# KiCad board traffic_paradise.kicad_pcb (continued)
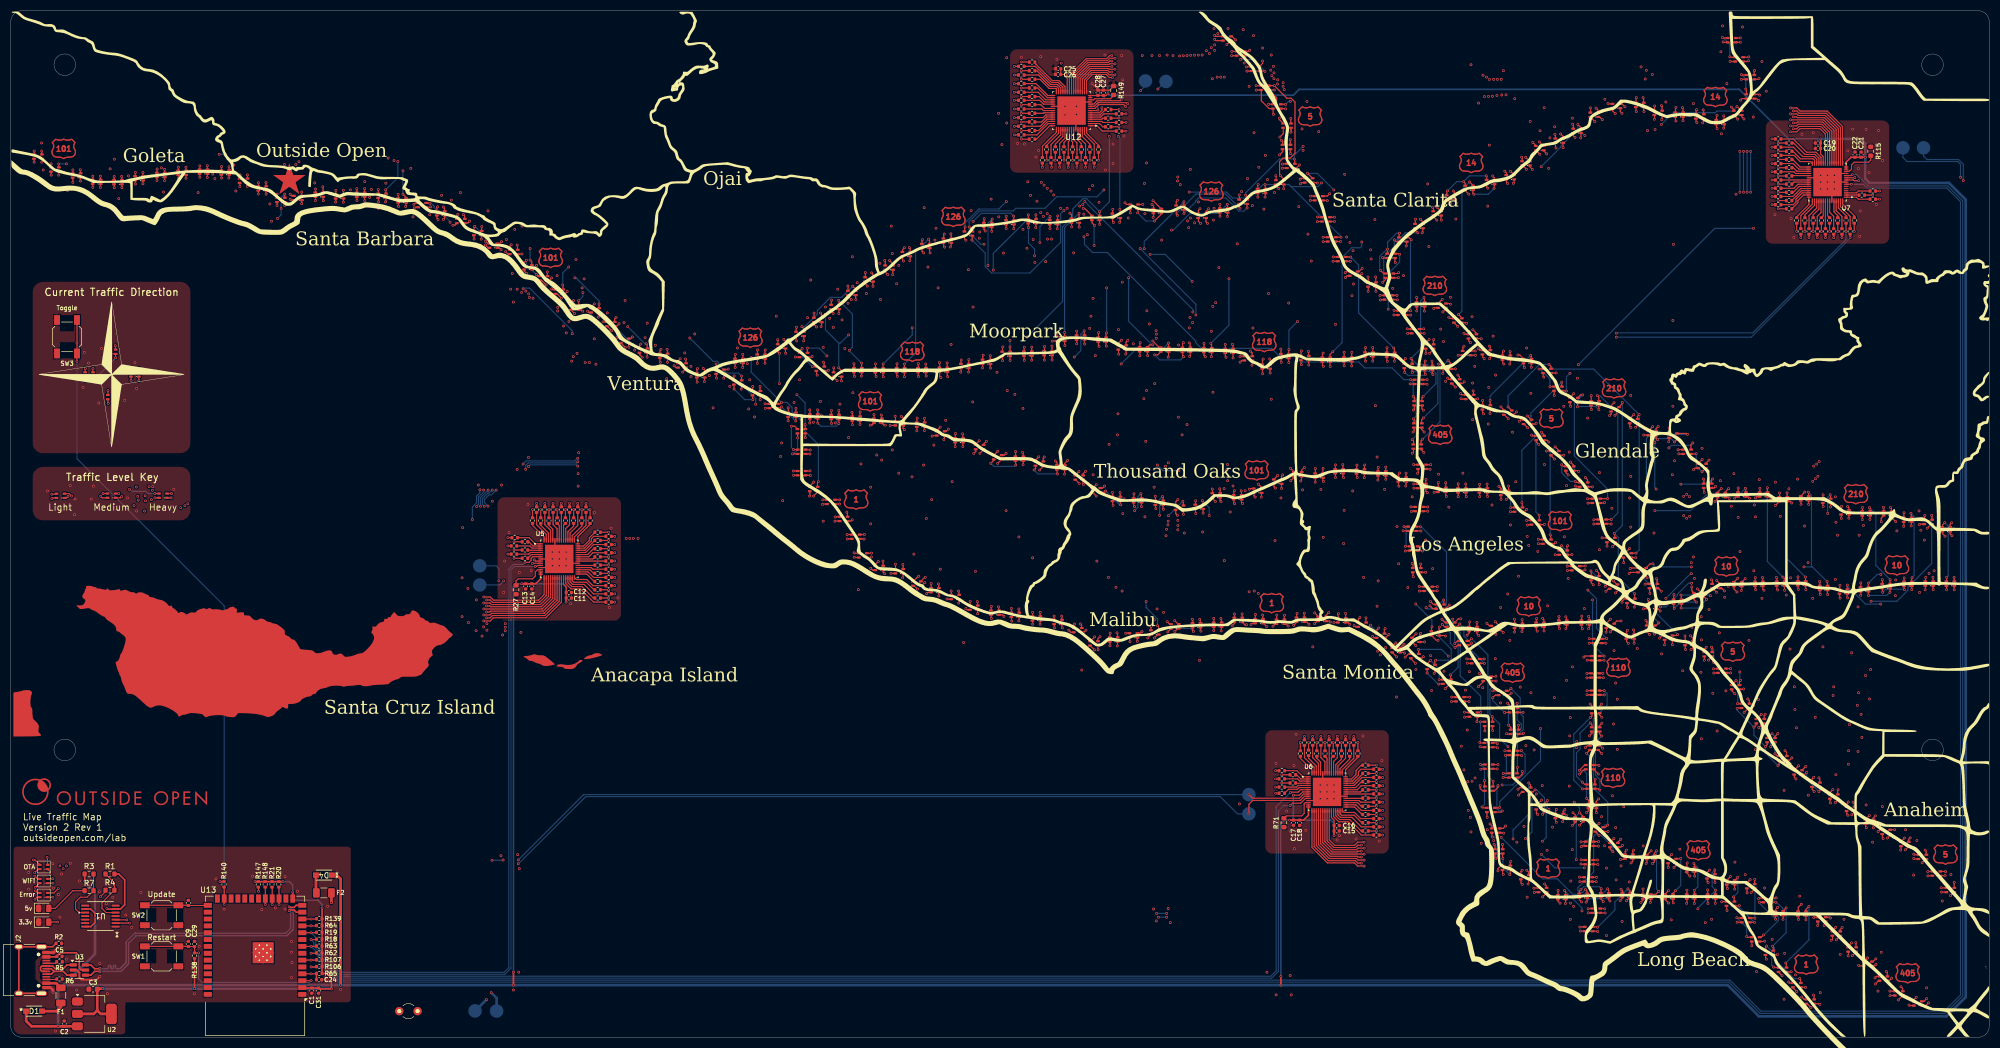
[diagram p0: board, top side]
## Routing (per net, layer and track width the routed paths; a pad name or vN(x,y) marks a point on that pad's centre or on a via; arc(x,y) is an arc through that point) (continued)
  In1.Cu w0.203: v1(267.6,120.5) 268.15,120.5 269.12,119.53 269.12,118.35 ; 269.12,118.35 v1(268.65,118.35) ; 269.12,118.35 271.92,115.55 v1(272.82,115.55) ; v1(277.4,114.65) 279.1,112.95 v1(281,112.95) 281,111.6 282.72,109.88 v1(283.05,109.88) 283.05,109.31 285.21,107.15 v1(286,107.15) 286,106.66 288.43,104.23 v1(288.5,104.23) 288.5,103.5 v1(289.82,102.18)
  In2.Cu w0.203: v1(272.82,115.55) 273.73,114.65 v1(277.4,114.65) ; v1(281,112.95) 286.09,118.04 294.54,118.04 300.14,123.64 300.14,155.46 307.62,162.95 310.9,162.95 310.9,162.95 323.51,162.95 326.3,165.74 v1(327.41,165.74)
Net-(LED235-RK): length 127.6
  Top w0.203: v1(282.57,113.8) 282.42,113.65 281.68,113.65 ; 270.96,118.27 271.67,118.27 v1(271.73,118.33) ; 292.09,102.02 292.96,102.02 v1(292.98,102) ; v1(290.43,104.88) 290.29,105.01 289.5,105.01 ; 278.02,115.38 278.4,115.38 v1(278.93,115.9) ; v1(284.93,110.33) 284.6,110.65 284.01,110.65 ; R99.2 v1(326.26,164.98) ; 286.75,107.86 287.68,107.86 v1(287.7,107.88) ; v1(274.02,115.6) 274.06,115.63 274.06,116.34 ; v1(269.25,121.48) 268.94,121.17 268.37,121.17
  In1.Cu w0.203: v1(274.02,115.6) 271.73,117.9 v1(271.73,118.33) 271.62,118.33 269.25,120.7 v1(269.25,121.48) ; v1(278.93,115.9) 280.29,114.54 281.84,114.54 v1(282.57,113.8) 282.57,112.39 284.64,110.33 v1(284.93,110.33) 284.93,109.78 286.83,107.88 v1(287.7,107.88) 287.7,107.03 289.86,104.88 v1(290.43,104.88) 290.43,104.22 292.65,102 v1(292.98,102)
  In2.Cu w0.203: v1(278.93,115.9) 274.32,115.9 v1(274.02,115.6) ; v1(326.26,164.98) 323.87,162.58 307.77,162.58 300.5,155.31 300.5,123.49 294.69,117.68 286.24,117.68 282.57,114.01 v1(282.57,113.8)
Net-(LED244-BK): length 141.7
  Top w0.203: v1(288.32,87.3) 288.35,87.32 289.22,87.32 ; v1(280.8,95.78) 280.83,95.81 281.75,95.81 ; v1(264.45,102.8) 264.43,102.78 264.43,101.85 ; v1(282.98,92.3) 283.02,92.25 283.88,92.25 ; 272.1,101.75 272.1,102.47 v1(272.1,102.48) ; v1(275.68,102.1) 276.06,101.72 276.06,101.29 ; 268.13,101.75 268.13,102.57 v1(268.12,102.58) ; v1(277.85,98.12) 277.92,98.19 278.6,98.19 ; R104.2 v1(327.41,164.22) ; 286.88,90.22 286.88,90.7 v1(287.27,91.1)
  In1.Cu w0.203: v1(268.12,102.58) 268.7,102 271.63,102 v1(272.1,102.48) 272.58,101.99 275.57,101.99 v1(275.68,102.1) ; v1(277.85,98.12) 278.45,98.12 v1(280.8,95.78) 280.89,95.78 282.98,93.69 v1(282.98,92.3)
  In2.Cu w0.203: v1(287.27,91.1) 287.27,91.38 286.35,92.3 v1(282.98,92.3) ; v1(275.68,102.1) 275.68,104.23 282.65,111.2 286.34,111.2 292.45,117.31 294.84,117.31 300.87,123.34 300.87,155.16 307.92,162.22 324.3,162.22 326.29,164.22 v1(327.41,164.22) ; v1(264.45,102.8) 265.05,102.2 267.75,102.2 v1(268.12,102.58)
  Bottom w0.203: v1(275.68,102.1) 277.85,99.93 v1(277.85,98.12) ; v1(287.27,91.1) 288.32,90.05 v1(288.32,87.3)
Net-(LED244-GK): length 138.7
  Top w0.203: R103.2 v1(326.26,163.45) ; v1(288.38,86.5) 288.4,86.52 289.22,86.52 ; v1(286.1,89.43) 286.11,89.42 286.88,89.42 ; v1(277.8,97.4) 277.81,97.39 278.6,97.39 ; v1(283,91.48) 283.02,91.45 283.88,91.45 ; v1(280.95,94.93) 281.03,95.01 281.75,95.01 ; v1(268.12,100.2) 268.13,100.21 268.13,100.95 ; v1(276.07,99.7) 276.06,99.72 276.06,100.49 ; v1(272.12,100.2) 272.1,100.23 272.1,100.95 ; 264.43,101.05 263.73,101.05 v1(263.68,101)
  In1.Cu w0.203: v1(288.38,86.5) 286.1,88.78 v1(286.1,89.43) 285.05,89.43 v1(283,91.48) 280.95,93.53 v1(280.95,94.93) 280.27,94.93 v1(277.8,97.4) 276.07,99.12 v1(276.07,99.7)
  In2.Cu w0.203: 276.2,100.47 276.2,104.24 282.8,110.84 286.49,110.84 292.6,116.95 294.99,116.95 301.23,123.19 301.23,155.01 308.07,161.86 324.67,161.86 v1(326.26,163.45) ; 276.2,100.47 276.2,99.83 v1(276.07,99.7) ; 276.2,100.47 275.83,100.83 272.76,100.83 v1(272.12,100.2) 271.56,100.76 268.69,100.76 v1(268.12,100.2) 267.32,101 v1(263.68,101)
Net-(LED244-RK): length 138.1
  Top w0.203: v1(273.57,100.25) 273.5,100.33 273.5,100.95 ; 290.62,86.52 291.52,86.52 v1(291.62,86.62) ; 283.15,95.01 284.06,95.01 v1(284.1,95.05) ; 269.53,100.95 269.53,100.29 v1(269.62,100.2) ; 288.28,89.42 289.14,89.42 v1(289.2,89.48) ; v1(277.02,99.68) 277.46,100.11 277.46,100.49 ; R102.2 v1(327.41,162.69) ; 280,97.39 280.37,97.39 v1(280.8,97.83) ; 265.82,101.05 265.82,100.35 v1(265.93,100.25) ; 285.28,91.45 285.93,91.45 v1(286.18,91.7)
  In1.Cu w0.203: v1(265.93,100.25) 266.56,99.61 269.04,99.61 v1(269.62,100.2) 270.19,100.77 273.06,100.77 v1(273.57,100.25) 276.45,100.25 v1(277.02,99.68) 278.38,99.68 280.23,97.83 v1(280.8,97.83) 281.32,97.83 v1(284.1,95.05) 286.18,92.98 v1(286.18,91.7) 286.18,91.47 288.17,89.48 v1(289.2,89.48) 289.2,89.05 v1(291.62,86.62)
  In2.Cu w0.203: v1(280.8,97.83) 280.98,97.83 295.66,112.51 295.66,117.11 301.59,123.04 301.59,154.86 308.22,161.49 325.1,161.49 326.3,162.69 v1(327.41,162.69)
Net-(LED253-BK): length 111.4
  Top w0.203: v1(292.77,118.91) 292.77,117.9 ; v1(289.52,119.28) 288.86,118.61 288.86,118.51 ; 313.65,102.61 313.65,103.37 v1(313.55,103.48) ; 299.93,114.6 299.93,114.68 v1(300.65,115.4) ; 307.2,111.91 307.2,111.91 v1(307.2,112.95) ; R111.2 v1(326.26,161.93) ; v1(313.33,107.08) 312.63,106.38 312.63,106.27 ; v1(304.15,113.15) 303.39,112.39 303.39,112.37 ; 296.48,116.79 296.48,117.08 v1(297,117.6) ; v1(308.85,108.88) 308.89,108.91 309.84,108.91
  In1.Cu w0.203: 300.99,115.06 299.54,115.06 v1(297,117.6) 294.09,117.6 v1(292.77,118.91) 292.4,118.54 290.26,118.54 v1(289.52,119.28) ; 300.99,115.06 302.9,113.15 v1(304.15,113.15) 304.62,112.68 307.2,112.68 ; 300.99,115.06 v1(300.65,115.4) ; v1(313.55,103.48) 312.78,104.25 312.78,106.53 ; 312.78,106.53 v1(313.33,107.08) ; 312.78,106.53 310.43,108.88 v1(308.85,108.88) 307.66,110.07 307.66,112.22 307.2,112.68 ; 307.2,112.68 v1(307.2,112.95)
  In2.Cu w0.203: v1(297,117.6) 297,117.94 301.96,122.89 301.96,154.71 308.38,161.13 325.47,161.13 v1(326.26,161.93)
Net-(LED253-GK): length 112.5
  Top w0.203: 312.63,105.47 312,105.47 v1(311.73,105.2) ; 309.84,108.11 309.01,108.11 v1(309,108.12) ; 288.86,117.71 288.86,117.04 v1(288.95,116.95) ; 313.65,101.81 313.65,101.02 v1(313.7,100.98) ; v1(302.5,111.61) 303.35,111.61 303.39,111.57 ; R110.2 v1(327.41,161.17) ; 296.48,115.99 296.48,115.53 v1(296.18,115.23) ; 292.77,117.1 292.77,116.4 v1(292.82,116.35) ; v1(300.12,113) 299.93,113.19 299.93,113.8 ; v1(307.12,110.38) 307.2,110.45 307.2,111.11
  In1.Cu w0.203: v1(313.7,100.98) 311.73,102.95 v1(311.73,105.2) 309,107.93 v1(309,108.12) 308.82,108.12 307.67,109.27 307.67,109.44 307.12,109.98 v1(307.12,110.38) 305.89,111.61 v1(302.5,111.61) ; v1(300.12,113) 298.4,113 v1(296.18,115.23) 293.95,115.23 v1(292.82,116.35) 291.79,117.38 289.38,117.38 v1(288.95,116.95)
  In2.Cu w0.203: v1(300.12,113) 301.51,111.61 v1(302.5,111.61) ; v1(296.18,115.23) 297.51,116.56 297.51,117.93 302.32,122.74 302.32,154.56 308.52,160.77 325.9,160.77 326.3,161.17 v1(327.41,161.17)
Net-(LED253-RK): length 110.9
  Top w0.203: 311.24,108.11 312.19,108.11 v1(312.23,108.15) ; v1(308.18,110.33) 308.6,110.75 308.6,111.11 ; 294.17,117.1 294.17,116.33 v1(294.2,116.3) ; v1(315.85,102.1) 315.56,101.81 315.05,101.81 ; v1(305.07,110.75) 304.79,111.04 304.79,111.57 ; 297.88,115.99 297.88,115.98 v1(297.18,115.28) ; 290.26,117.71 290.26,116.89 v1(290.23,116.85) ; v1(313.3,104.8) 313.97,105.47 314.03,105.47 ; 301.33,113.8 301.33,113.38 v1(301,113.05) ; R105.2 v1(326.26,160.41)
  In1.Cu w0.203: v1(315.85,102.1) 313.3,104.65 v1(313.3,104.8) ; v1(312.23,108.15) 310.05,110.33 v1(308.18,110.33) ; v1(305.07,110.75) 302.62,110.75 301,112.37 v1(301,113.05) 298.77,115.28 v1(297.18,115.28) 296.15,116.3 v1(294.2,116.3)
  In2.Cu w0.203: v1(326.26,160.41) 308.68,160.41 302.68,154.4 302.68,114.73 v1(301,113.05)
  Bottom w0.203: v1(308.18,110.33) 307.56,110.94 305.27,110.94 v1(305.07,110.75) ; v1(290.23,116.85) 290.28,116.9 293.6,116.9 v1(294.2,116.3) ; v1(313.3,104.8) 312.23,105.88 v1(312.23,108.15)
Net-(LED262-BK): length 134.1
  Top w0.203: 311.82,82.34 311.4,82.77 v1(311.4,83.45) ; 308.06,81.12 308.06,82.01 v1(308.1,82.05) ; 298.77,89.71 299.01,89.71 v1(299.88,90.58) ; v1(302.75,83.98) 302.8,84.02 303.59,84.02 ; v1(315.05,84.78) 315.23,84.6 315.23,84.02 ; R114.2 v1(327.41,159.64) ; 293.03,99.82 292.12,99.82 v1(292.1,99.8) ; v1(293.25,95.9) 293.31,95.96 294.09,95.96 ; 301.51,86.97 300.12,86.97 v1(300,86.85) ; v1(294.77,92.55) 294.78,92.56 295.72,92.56
  In1.Cu w0.203: v1(315.05,84.78) 312.73,84.78 v1(311.4,83.45) 311.33,83.45 311,83.78 309.83,83.78 v1(308.1,82.05) ; 300.05,86.9 300.05,86.7 300.31,86.44 300.31,85.95 302.29,83.98 v1(302.75,83.98) ; 300.05,86.9 v1(300,86.85) ; 300.05,86.9 300.1,86.95 300.1,90.35 v1(299.88,90.58) ; v1(292.1,99.8) 292.2,99.8 293.25,98.75 v1(293.25,95.9) 294.77,94.38 v1(294.77,92.55)
  In2.Cu w0.203: v1(299.88,90.58) 297.9,92.55 v1(294.77,92.55) ; v1(302.75,83.98) 306.18,83.98 v1(308.1,82.05) ; v1(327.41,159.64) 326.15,159.64 325.75,160.04 308.83,160.04 303.04,154.25 303.04,110.71 293.52,101.19 293.49,101.19 v1(292.1,99.8)
Net-(LED262-GK): length 131.9
  Top w0.203: v1(312.25,80.65) 311.82,81.08 311.82,81.54 ; 295.72,91.76 295.72,91.04 v1(295.7,91.03) ; v1(308.15,79.5) 308.06,79.59 308.06,80.33 ; v1(299.8,85.95) 300.02,86.17 301.51,86.17 ; 298.77,88.91 298.77,88 v1(298.8,87.96) ; 293.03,99.02 292.19,99.02 v1(292.18,99) ; v1(303.65,82.25) 303.59,82.31 303.59,83.22 ; v1(293.25,95.12) 293.28,95.16 294.09,95.16 ; v1(316,82.48) 315.25,83.22 315.23,83.22 ; R113.2 v1(326.26,158.88)
  In1.Cu w0.203: v1(292.18,99) 292.18,96.2 v1(293.25,95.12) 293.25,93.29 295.51,91.03 v1(295.7,91.03) ; v1(316,82.48) 313.98,82.48 312.25,80.75 v1(312.25,80.65) ; v1(308.15,79.5) 307.68,79.5 304.93,82.25 v1(303.65,82.25) 303.5,82.25 v1(299.8,85.95) 299.3,85.95 298.9,86.35 298.9,87.86 v1(298.8,87.96)
  In2.Cu w0.203: v1(326.26,158.88) 326.26,158.89 325.47,159.68 308.98,159.68 303.41,154.1 303.41,111.04 303.41,111.04 303.41,110.56 292.7,99.85 292.7,99.53 v1(292.18,99) ; v1(298.8,87.96) 298.76,87.96 v1(295.7,91.03)
  Bottom w0.203: v1(308.15,79.5) 309.3,80.65 v1(312.25,80.65)
Net-(LED262-RK): length 132.7
  Top w0.203: v1(305.75,82.68) 305.2,83.22 304.99,83.22 ; v1(296.48,95.12) 296.44,95.16 295.49,95.16 ; v1(317.45,82.73) 316.95,83.22 316.62,83.22 ; 302.91,86.17 302.91,85.37 v1(303.12,85.15) ; 300.17,88.91 300.99,88.91 v1(301.02,88.88) ; 309.46,80.33 309.46,79.59 v1(309.43,79.55) ; v1(314.15,81.18) 313.78,81.54 313.22,81.54 ; v1(295.25,99.1) 295.17,99.02 294.43,99.02 ; v1(296.73,90.93) 297.12,91.32 297.12,91.76 ; R112.2 v1(327.41,158.12)
  In1.Cu w0.203: v1(317.45,82.73) 315.9,81.18 v1(314.15,81.18) ; v1(309.43,79.55) 306.3,82.68 v1(305.75,82.68) 305.6,82.68 v1(303.12,85.15) 301.02,87.25 v1(301.02,88.88) ; v1(295.25,99.1) 295.25,96.35 v1(296.48,95.12) 296.48,91.18 v1(296.73,90.93)
  In2.Cu w0.203: v1(295.25,99.1) 294.67,99.68 294.67,101.31 303.77,110.41 303.77,110.42 304.66,111.31 304.66,113.36 303.77,114.25 303.77,153.95 309.13,159.32 325.11,159.32 326.3,158.12 v1(327.41,158.12) ; v1(301.02,88.88) 298.77,88.88 v1(296.73,90.93)
  Bottom w0.203: v1(309.43,79.55) 312.52,79.55 v1(314.15,81.18)
Net-(LED271-BK): length 149.4
  Top w0.203: v1(303.35,81.15) 303.34,81.14 303.34,80.26 ; 313.75,71.37 313.75,71.95 v1(314.08,72.28) ; 299.43,81.28 298.94,81.28 298.49,80.82 v1(298.49,80.62) ; v1(302.9,77.25) 303.08,77.07 303.08,76.3 ; 306.4,74.45 305.93,74.45 v1(305.45,73.98) ; R118.2 v1(326.26,157.36) ; v1(315.43,68.28) 315.47,68.32 316.29,68.32 ; 292.77,85.49 292.77,86.38 v1(292.73,86.43) ; v1(295.38,83.58) 295.72,83.92 296.23,83.92 ; v1(310.15,74.38) 310.2,74.33 310.2,73.45
  In1.Cu w0.203: v1(302.9,77.25) 303.35,77.7 v1(303.35,81.15) ; v1(298.49,80.62) 298.27,80.62 295.38,83.52 v1(295.38,83.58)
  In2.Cu w0.203: v1(303.35,81.15) 302.82,80.62 v1(298.49,80.62) ; v1(326.26,157.36) 326.26,157.36 324.67,158.95 309.28,158.95 304.13,153.8 304.13,114.96 305.69,113.41 305.69,92.66 300.47,87.45 293.75,87.45 v1(292.73,86.43) ; v1(305.45,73.98) 309.75,73.98 v1(310.15,74.38) 312.25,72.28 v1(314.08,72.28) 313.19,71.39 313.19,69.65 314.56,68.28 v1(315.43,68.28)
  Bottom w0.203: v1(292.73,86.43) 295.38,83.78 v1(295.38,83.58) ; v1(302.9,77.25) 305.45,74.7 v1(305.45,73.98)
Net-(LED271-GK): length 144.4
  Top w0.203: 303.34,79.46 302.51,79.46 v1(302.45,79.4) ; v1(310.25,71.85) 310.2,71.9 310.2,72.65 ; 296.23,83.12 295.97,83.12 v1(295.5,82.65) ; v1(313.73,69.88) 313.75,69.9 313.75,70.57 ; R117.2 v1(327.41,156.59) ; v1(315.48,67.5) 315.5,67.52 316.29,67.52 ; 299.43,80.48 299.43,79.7 v1(299.52,79.6) ; 292.77,84.69 292.77,84.23 v1(293.15,83.85) ; v1(306.35,72.73) 306.4,72.78 306.4,73.65 ; 303.08,75.5 303.08,75.14 v1(303.57,74.65)
  In1.Cu w0.203: v1(306.35,72.73) 305.5,72.73 v1(303.57,74.65) 302.37,75.86 302.37,79.32 v1(302.45,79.4) ; v1(299.52,79.6) 298.55,79.6 v1(295.5,82.65) 294.35,82.65 v1(293.15,83.85) ; v1(315.48,67.5) 315.39,67.5 313.73,69.16 v1(313.73,69.88) 312.23,69.88 v1(310.25,71.85)
  In2.Cu w0.203: v1(295.5,82.65) 295.8,82.95 297.61,82.95 300.7,86.04 300.7,87.16 306.05,92.51 306.05,113.6 304.5,115.15 304.5,153.65 309.43,158.59 324.3,158.59 326.29,156.59 v1(327.41,156.59) ; v1(310.25,71.85) 307.23,71.85 v1(306.35,72.73) ; v1(302.45,79.4) 302.24,79.19 299.93,79.19 v1(299.52,79.6)
Net-(LED271-RK): length 144.1
  Top w0.203: v1(297.27,82.35) 297.63,82.7 297.63,83.12 ; v1(294.25,83.88) 294.17,83.95 294.17,84.69 ; 311.6,72.65 311.6,72.17 v1(311.27,71.85) ; 304.48,75.5 304.48,74.74 v1(304.5,74.73) ; v1(318.6,67.53) 318.6,67.52 317.69,67.52 ; R116.2 v1(326.26,155.83) ; v1(305.55,79) 305.09,79.46 304.74,79.46 ; 300.83,80.48 300.83,79.8 v1(300.75,79.73) ; v1(314.5,69.9) 315.15,70.55 315.15,70.57 ; v1(307.82,72.75) 307.8,72.78 307.8,73.65
  In1.Cu w0.203: v1(318.6,67.53) 316.13,69.99 314.59,69.99 v1(314.5,69.9) 312.55,71.85 v1(311.27,71.85) ; v1(305.55,79) 305.85,78.7 305.85,74.73 ; v1(304.5,74.73) 305.85,74.73 ; 305.85,74.73 v1(307.82,72.75) ; v1(300.75,79.73) 298.12,82.35 v1(297.27,82.35) 297.27,82.46 295.61,84.13 294.5,84.13 v1(294.25,83.88)
  In2.Cu w0.203: v1(311.27,71.85) 310.38,72.75 v1(307.82,72.75) ; v1(297.27,82.35) 297.52,82.35 301.06,85.89 301.06,87.01 306.41,92.36 306.41,113.75 304.86,115.3 304.86,153.5 309.59,158.23 323.87,158.23 326.26,155.84 v1(326.26,155.83) ; v1(305.55,79) 304.63,79.92 300.95,79.92 v1(300.75,79.73)
Net-(LED280-BK): length 97.8
  Top w0.203: v1(339.18,98.4) 339.1,98.33 339.1,97.69 ; R121.2 v1(330.84,149.36) ; 327.67,100.12 327.67,100.85 v1(327.65,100.88) ; v1(324.02,101.75) 324.01,101.74 324.01,100.99 ; 331.63,100.28 331.63,100.35 v1(332.34,101.05) ; 343.01,97.48 343.01,98.19 v1(343.02,98.2) ; 316.19,100.89 316.19,101.02 v1(316.88,101.7) ; 320,100.99 v1(320,101.8) ; v1(335.73,100.53) 335.7,100.5 335.7,99.82 ; 346.98,97.48 346.98,98.15 v1(346.9,98.23)
  In1.Cu w0.203: 332.28,100.99 331.63,100.34 328.18,100.34 v1(327.65,100.88) 324.9,100.88 v1(324.02,101.75) ; 332.28,100.99 v1(332.34,101.05) ; 332.28,100.99 332.81,100.46 335.73,100.46 ; 335.73,100.46 337.79,98.4 v1(339.18,98.4) ; 335.73,100.46 v1(335.73,100.53) ; v1(320,101.8) 319.35,101.15 317.42,101.15 v1(316.88,101.7) ; v1(343.02,98.2) 343.49,98.66 346.46,98.66 v1(346.9,98.23)
  In2.Cu w0.203: v1(330.84,149.36) 330.84,148.25 333.63,145.46 333.63,108.7 326.17,101.25 324.52,101.25 ; 324.52,101.25 v1(324.02,101.75) ; 324.52,101.25 324.45,101.17 320.63,101.17 v1(320,101.8) ; v1(339.18,98.4) 339.74,97.83 342.66,97.83 v1(343.02,98.2)
Net-(LED280-GK): length 96.8
  Top w0.203: 346.98,96.68 346.5,96.21 v1(346.5,95.55) ; v1(323.2,99.98) 323.41,100.19 324.01,100.19 ; 335.7,99.02 335.7,98.43 v1(335.75,98.38) ; 316.19,100.09 316.19,99.82 v1(315.7,99.33) ; v1(326.88,98.57) 326.92,98.57 327.67,99.32 ; v1(319.33,99.93) 319.59,100.19 320,100.19 ; 343.01,96.68 343.01,95.96 v1(343,95.95) ; v1(339.1,96.15) 339.1,96.15 339.1,96.89 ; R120.2 v1(331.6,148.21) ; v1(331.65,98.78) 331.63,98.79 331.63,99.48
  In1.Cu w0.203: v1(346.5,95.55) 345.52,96.53 343.58,96.53 v1(343,95.95) ; v1(339.1,96.15) 338.24,96.15 336.02,98.38 v1(335.75,98.38) 335.63,98.26 332.17,98.26 v1(331.65,98.78) 331.34,98.46 326.99,98.46 v1(326.88,98.57)
  In2.Cu w0.203: v1(315.7,99.33) 318.73,99.33 v1(319.33,99.93) 319.89,99.36 322.59,99.36 v1(323.2,99.98) 324.44,99.98 ; v1(343,95.95) 342.7,95.65 339.61,95.65 v1(339.1,96.15) ; 324.44,99.98 325.41,99.98 333.99,108.55 333.99,145.82 v1(331.6,148.21) ; 324.44,99.98 325.85,98.57 v1(326.88,98.57)
Net-(LED280-RK): length 97.8
  Top w0.203: v1(344.4,95.98) 344.41,95.99 344.41,96.68 ; v1(340.5,96.2) 340.5,96.2 340.5,96.89 ; 325.41,100.19 325.69,100.19 v1(326.1,99.78) ; 321.4,100.19 321.81,100.19 v1(322.1,99.9) ; 333.03,99.48 333.03,98.79 v1(333.05,98.78) ; v1(329.93,99.03) 329.63,99.32 329.07,99.32 ; v1(349.2,95.55) 348.38,96.37 348.38,96.68 ; 337.1,99.02 337.1,98.3 v1(337.1,98.3) ; 317.59,100.09 318.11,100.09 v1(318.33,99.88) ; R119.2 v1(332.36,149.36)
  In1.Cu w0.203: v1(322.1,99.9) 322.71,100.51 325.37,100.51 v1(326.1,99.78) 329.18,99.78 v1(329.93,99.03) 330.19,99.29 332.53,99.29 v1(333.05,98.78) 333.2,98.92 336.48,98.92 v1(337.1,98.3) ; v1(344.4,95.98) 345.39,94.99 348.64,94.99 v1(349.2,95.55)
  In2.Cu w0.203: v1(344.4,95.98) 343.9,96.48 340.78,96.48 v1(340.5,96.2) 338.4,98.3 v1(337.1,98.3) ; v1(322.1,99.9) 321.53,100.47 318.92,100.47 v1(318.33,99.88) ; v1(326.1,99.78) 326.1,100.15 334.35,108.4 334.35,146.26 332.36,148.25 v1(332.36,149.36)
Net-(LED289-BK): length 107
  Top w0.203: v1(319.93,85.08) 319.24,84.39 319.24,84.38 ; 323.15,84.43 323.15,85.15 v1(323.18,85.18) ; 327.16,84.48 327.16,85.14 v1(327.08,85.23) ; 346.72,84.02 346.72,84.78 v1(346.7,84.8) ; 350.73,84.43 350.73,85.11 v1(350.75,85.12) ; v1(338.85,83.78) 338.8,83.72 338.8,83.01 ; R124.2 v1(333.12,148.21) ; v1(342.73,84.2) 342.71,84.18 342.71,83.41 ; v1(335.08,84.48) 335.14,84.41 335.14,83.67 ; 331.08,84.53 v1(331.08,85.33)
  In1.Cu w0.203: v1(323.18,85.18) 323.76,85.76 326.54,85.76 v1(327.08,85.23) 327.64,85.79 330.61,85.79 v1(331.08,85.33) 331.93,84.48 v1(335.08,84.48) 335.77,83.78 v1(338.85,83.78) ; v1(333.82,103.03) 333.7,103.15 333.7,105.55 v1(334,105.85) ; v1(346.7,84.8) 343.33,84.8 v1(342.73,84.2)
  In2.Cu w0.203: v1(319.93,85.08) 320.4,85.55 322.8,85.55 v1(323.18,85.18) ; v1(346.7,84.8) 347.22,85.32 350.56,85.32 v1(350.75,85.12) ; v1(334,105.85) 334,106.92 334.72,107.64 334.72,146.62 v1(333.12,148.21) ; v1(338.85,83.78) 339.45,84.37 342.56,84.37 v1(342.73,84.2) ; v1(333.82,103.03) 334.25,102.6 334.25,88.5 v1(331.08,85.33)
Net-(LED289-GK): length 111.7
  Top w0.203: v1(331.15,83.03) 331.08,83.1 331.08,83.73 ; 342.71,82.61 342.71,81.93 v1(342.7,81.93) ; 335.14,82.87 335.14,82.16 v1(335.23,82.08) ; v1(346.77,82.48) 346.72,82.53 346.72,83.22 ; v1(338.88,81.4) 338.8,81.48 338.8,82.21 ; 323.15,83.63 323.15,83.05 v1(323.25,82.95) ; v1(327.33,82.9) 327.16,83.06 327.16,83.68 ; v1(319.78,82.52) 319.24,83.06 319.24,83.58 ; 350.73,83.63 350.73,83.02 v1(350.8,82.95) ; R123.2 v1(333.88,149.36)
  In1.Cu w0.203: v1(319.78,82.52) 319.78,82.73 320.4,83.35 322.85,83.35 v1(323.25,82.95) ; v1(346.77,82.48) 343.25,82.48 v1(342.7,81.93) ; v1(327.33,82.9) 327.8,83.38 330.8,83.38 v1(331.15,83.03) ; v1(334.3,103.51) 334.2,103.61 334.2,105.33 334.54,105.67 v1(334.54,106.23)
  In2.Cu w0.203: v1(342.7,81.93) 342.62,82.01 339.48,82.01 v1(338.88,81.4) 335.9,81.4 v1(335.23,82.08) 332.1,82.08 v1(331.15,83.03) 334.62,86.49 334.62,103.2 v1(334.3,103.51) ; v1(334.54,106.23) 334.5,106.27 334.5,106.91 335.08,107.49 335.08,146.8 333.88,148 v1(333.88,149.36) ; v1(327.33,82.9) 326.71,82.29 323.91,82.29 v1(323.25,82.95)
  Bottom w0.203: v1(346.77,82.48) 347.34,83.04 350.71,83.04 v1(350.8,82.95)
Net-(LED289-RK): length 109.4
  Top w0.203: 336.54,82.87 336.54,82.09 v1(336.58,82.05) ; R122.2 v1(334.64,148.21) ; 320.64,83.58 320.64,82.86 v1(320.58,82.8) ; 332.48,83.73 332.48,83.03 v1(332.52,82.98) ; 344.11,82.61 344.11,81.92 v1(344.15,81.88) ; 324.55,83.63 324.55,83.08 v1(324.77,82.85) ; 352.13,83.63 352.13,82.99 v1(352.15,82.98) ; v1(340.27,81.43) 340.18,81.53 340.18,82.08 340.2,82.1 340.2,82.21 ; v1(328.6,82.85) 328.56,82.89 328.56,83.68 ; 348.12,83.22 348.12,82.47 v1(348.1,82.45)
  In1.Cu w0.203: v1(335.01,106.69) 335.05,106.65 335.05,105.67 334.8,105.41 334.8,104.01 v1(334.77,103.98) ; v1(328.6,82.85) 328.97,82.48 332.03,82.48 v1(332.52,82.98) 335.65,82.98 v1(336.58,82.05) 339.65,82.05 v1(340.27,81.43) 340.36,81.34 343.61,81.34 v1(344.15,81.88) ; v1(320.58,82.8) 320.98,82.4 324.32,82.4 v1(324.77,82.85)
  In2.Cu w0.203: v1(334.77,103.98) 334.77,103.77 334.98,103.56 334.98,85.43 v1(332.52,82.98) ; v1(324.77,82.85) 325.42,83.49 327.96,83.49 v1(328.6,82.85) ; v1(348.1,82.45) 349.14,83.49 351.64,83.49 v1(352.15,82.98) ; v1(335.01,106.69) 335.44,107.13 335.44,147.18 334.64,147.97 v1(334.64,148.21)
  Bottom w0.203: v1(344.15,81.88) 347.52,81.88 v1(348.1,82.45)
Net-(LED298-BK): length 166
  Top w0.203: v1(334,48.18) 333.72,47.89 333.72,47.19 ; R127.2 v1(327.41,155.07) ; 327.57,52.12 327.26,52.12 v1(326.8,52.58) ; v1(319.88,61.83) 319.88,61.82 320.66,61.82 ; 323.4,58.98 323.43,58.98 v1(324.27,59.83) ; v1(326.27,56.25) 325.5,55.47 325.38,55.47 ; v1(340.4,43.6) 340.12,43.32 340.12,42.72 ; 330.41,49.48 330.41,49.54 v1(331.18,50.3) ; v1(337.52,45.88) 337.02,45.37 337.02,45.01 ; v1(319.6,66.1) 318.83,65.33 318.83,65.28
  In1.Cu w0.203: v1(309.9,96.67) v1(309.9,100.25) ; v1(334,48.18) 334,48.51 332.86,49.65 331.82,49.65 v1(331.18,50.3) ; v1(337.52,45.88) 338.16,45.24 339.4,45.24 340.4,44.23 v1(340.4,43.6) ; v1(324.27,59.83) 324.27,58.25 v1(326.27,56.25)
  In2.Cu w0.203: v1(331.18,50.3) 329.08,50.3 v1(326.8,52.58) ; v1(319.6,66.1) 319.6,68.65 310.07,78.18 310.07,95.75 309.89,95.94 309.89,96.66 v1(309.9,96.67) ; v1(324.27,59.83) 323.83,59.83 321.83,61.83 v1(319.88,61.83) ; v1(334,48.18) 336.3,45.88 v1(337.52,45.88) ; v1(309.9,100.25) 309.9,109.95 309.27,110.58 309.27,112.34 308.06,113.55 307.13,113.55 305.22,115.45 305.22,153.35 309.74,157.86 323.51,157.86 326.3,155.07 v1(327.41,155.07)
  Bottom w0.203: v1(326.27,56.25) 326.8,55.73 v1(326.8,52.58) ; v1(319.88,61.83) 319.93,61.88 319.93,65.77 v1(319.6,66.1)
Net-(LED298-GK): length 163.9
  Top w0.203: v1(319.8,60.95) 319.87,61.02 320.66,61.02 ; 340.12,41.92 340.12,41.36 v1(340.33,41.15) ; 333.72,46.39 333.72,45.91 v1(334.08,45.55) ; R126.2 v1(326.26,154.31) ; 323.4,58.18 323.4,57.95 v1(322.93,57.48) ; 330.41,48.68 330.41,48.16 v1(330.7,47.88) ; 327.57,51.32 327.57,50.52 v1(327.38,50.33) ; 337.02,44.21 337.02,43.51 v1(337.1,43.43) ; v1(319.38,63.68) 318.83,64.22 318.83,64.48 ; v1(325.02,53.88) 325.38,54.24 325.38,54.67
  In1.Cu w0.203: v1(310.45,100.62) 310.45,96.2 v1(310.44,96.2) ; v1(319.38,63.68) 320.43,62.62 320.43,61.58 v1(319.8,60.95) ; v1(340.33,41.15) 339.38,41.15 v1(337.1,43.43) 336.2,43.43 v1(334.08,45.55) 331.75,47.88 v1(330.7,47.88)
  In2.Cu w0.203: v1(319.38,63.68) 320.96,65.26 320.96,67.8 310.44,78.33 310.44,96.19 v1(310.44,96.2) ; v1(330.7,47.88) 329.83,47.88 v1(327.38,50.33) ; v1(310.45,100.62) 310.45,109.91 309.64,110.73 309.64,112.49 308.21,113.91 307.28,113.91 305.59,115.6 305.59,153.2 309.89,157.5 323.08,157.5 326.26,154.31 v1(326.26,154.31)
  Bottom w0.203: v1(327.38,50.33) 325.02,52.68 v1(325.02,53.88) 322.93,55.98 v1(322.93,57.48) 319.8,60.6 v1(319.8,60.95)
Net-(LED298-RK): length 165.8
  Top w0.203: v1(341.05,41.23) 341.52,41.69 341.52,41.92 ; 320.23,64.48 320.93,64.48 v1(321,64.55) ; 328.97,51.32 329.49,51.32 v1(329.95,51.78) ; v1(326.02,53.85) 326.78,54.61 326.78,54.67 ; v1(323.83,57.4) 324.6,58.18 324.8,58.18 ; v1(321.1,60.2) 321.92,61.02 322.06,61.02 ; v1(334.95,45.53) 335.12,45.69 335.12,46.39 ; v1(338,43.53) 338.42,43.94 338.42,44.21 ; 331.81,48.68 332.28,48.68 v1(332.68,49.08) ; R125.2 v1(327.41,153.55)
  In1.Cu w0.203: v1(321,64.55) 321.18,64.37 321.18,60.28 v1(321.1,60.2) 321.1,60.13 v1(323.83,57.4) ; v1(332.68,49.08) 331.67,49.08 330.44,50.3 330.44,51.28 v1(329.95,51.78) ; v1(311,96.55) 311,100.17 v1(310.96,100.2) ; v1(334.95,45.53) 336,45.53 v1(338,43.53) 339.67,41.85 340.42,41.85 v1(341.05,41.23)
  In2.Cu w0.203: v1(327.41,153.55) 326.3,153.55 322.71,157.14 310.04,157.14 305.95,153.05 305.95,115.75 307.43,114.28 308.36,114.28 310,112.64 310,110.88 310.96,109.91 v1(310.96,100.2) ; v1(329.95,51.78) 328.64,51.78 326.56,53.85 v1(326.02,53.85) ; v1(311,96.55) 311,96.03 310.8,95.83 310.8,78.48 321.4,67.88 321.4,64.95 v1(321,64.55)
  Bottom w0.203: v1(332.68,49.08) 332.68,47.8 v1(334.95,45.53) ; v1(326.02,53.85) 326.02,55.2 v1(323.83,57.4)
Net-(LED307-BK): length 244.8
  Top w0.203: 353.43,33.83 352.62,33.83 v1(352.52,33.93) ; 274.3,76.25 273.9,76.25 v1(273.45,76.7) ; 346.72,38.45 346.25,38.45 v1(345.93,38.13) ; v1(350.83,36.93) 350.18,36.28 350.18,36.22 ; v1(278.55,77.48) 278.6,77.43 278.6,76.65 ; v1(270.27,76.98) 270.2,76.9 270.2,76.05 ; v1(344.3,41.08) 343.62,40.4 343.62,40.33 ; v1(355.12,30.7) 355.16,30.73 356.02,30.73 ; R133.2 v1(339.22,148.21) ; 358.61,27.68 357.62,27.68 v1(357.6,27.7)
  In1.Cu w0.203: v1(357.6,27.7) 357.6,28.23 v1(355.12,30.7) 355.12,32.06 353.26,33.93 v1(352.52,33.93) 352.52,35.23 v1(350.83,36.93) 349.95,37.8 346.25,37.8 v1(345.93,38.13) 345.93,39.45 v1(344.3,41.08) ; v1(290.07,54.79) 290.07,65.96 v1(278.55,77.48) ; 339.22,148.19 v1(339.22,148.21)
  In2.Cu w0.203: v1(290.07,54.79) 320.96,54.79 333.44,42.3 343.07,42.3 v1(344.3,41.08) ; v1(339.22,148.21) 339.16,148.21 337.62,146.67 337.62,110.56 337.63,110.55 337.63,106.75 345.86,98.51 345.86,42.31 350.83,37.35 v1(350.83,36.93) ; v1(278.55,77.48) 278.47,77.55 274.3,77.55 v1(273.45,76.7) 272.7,77.45 270.75,77.45 v1(270.27,76.98)
